# Altium PCB PCB5.PcbDoc (part 3 of 5) (continued)
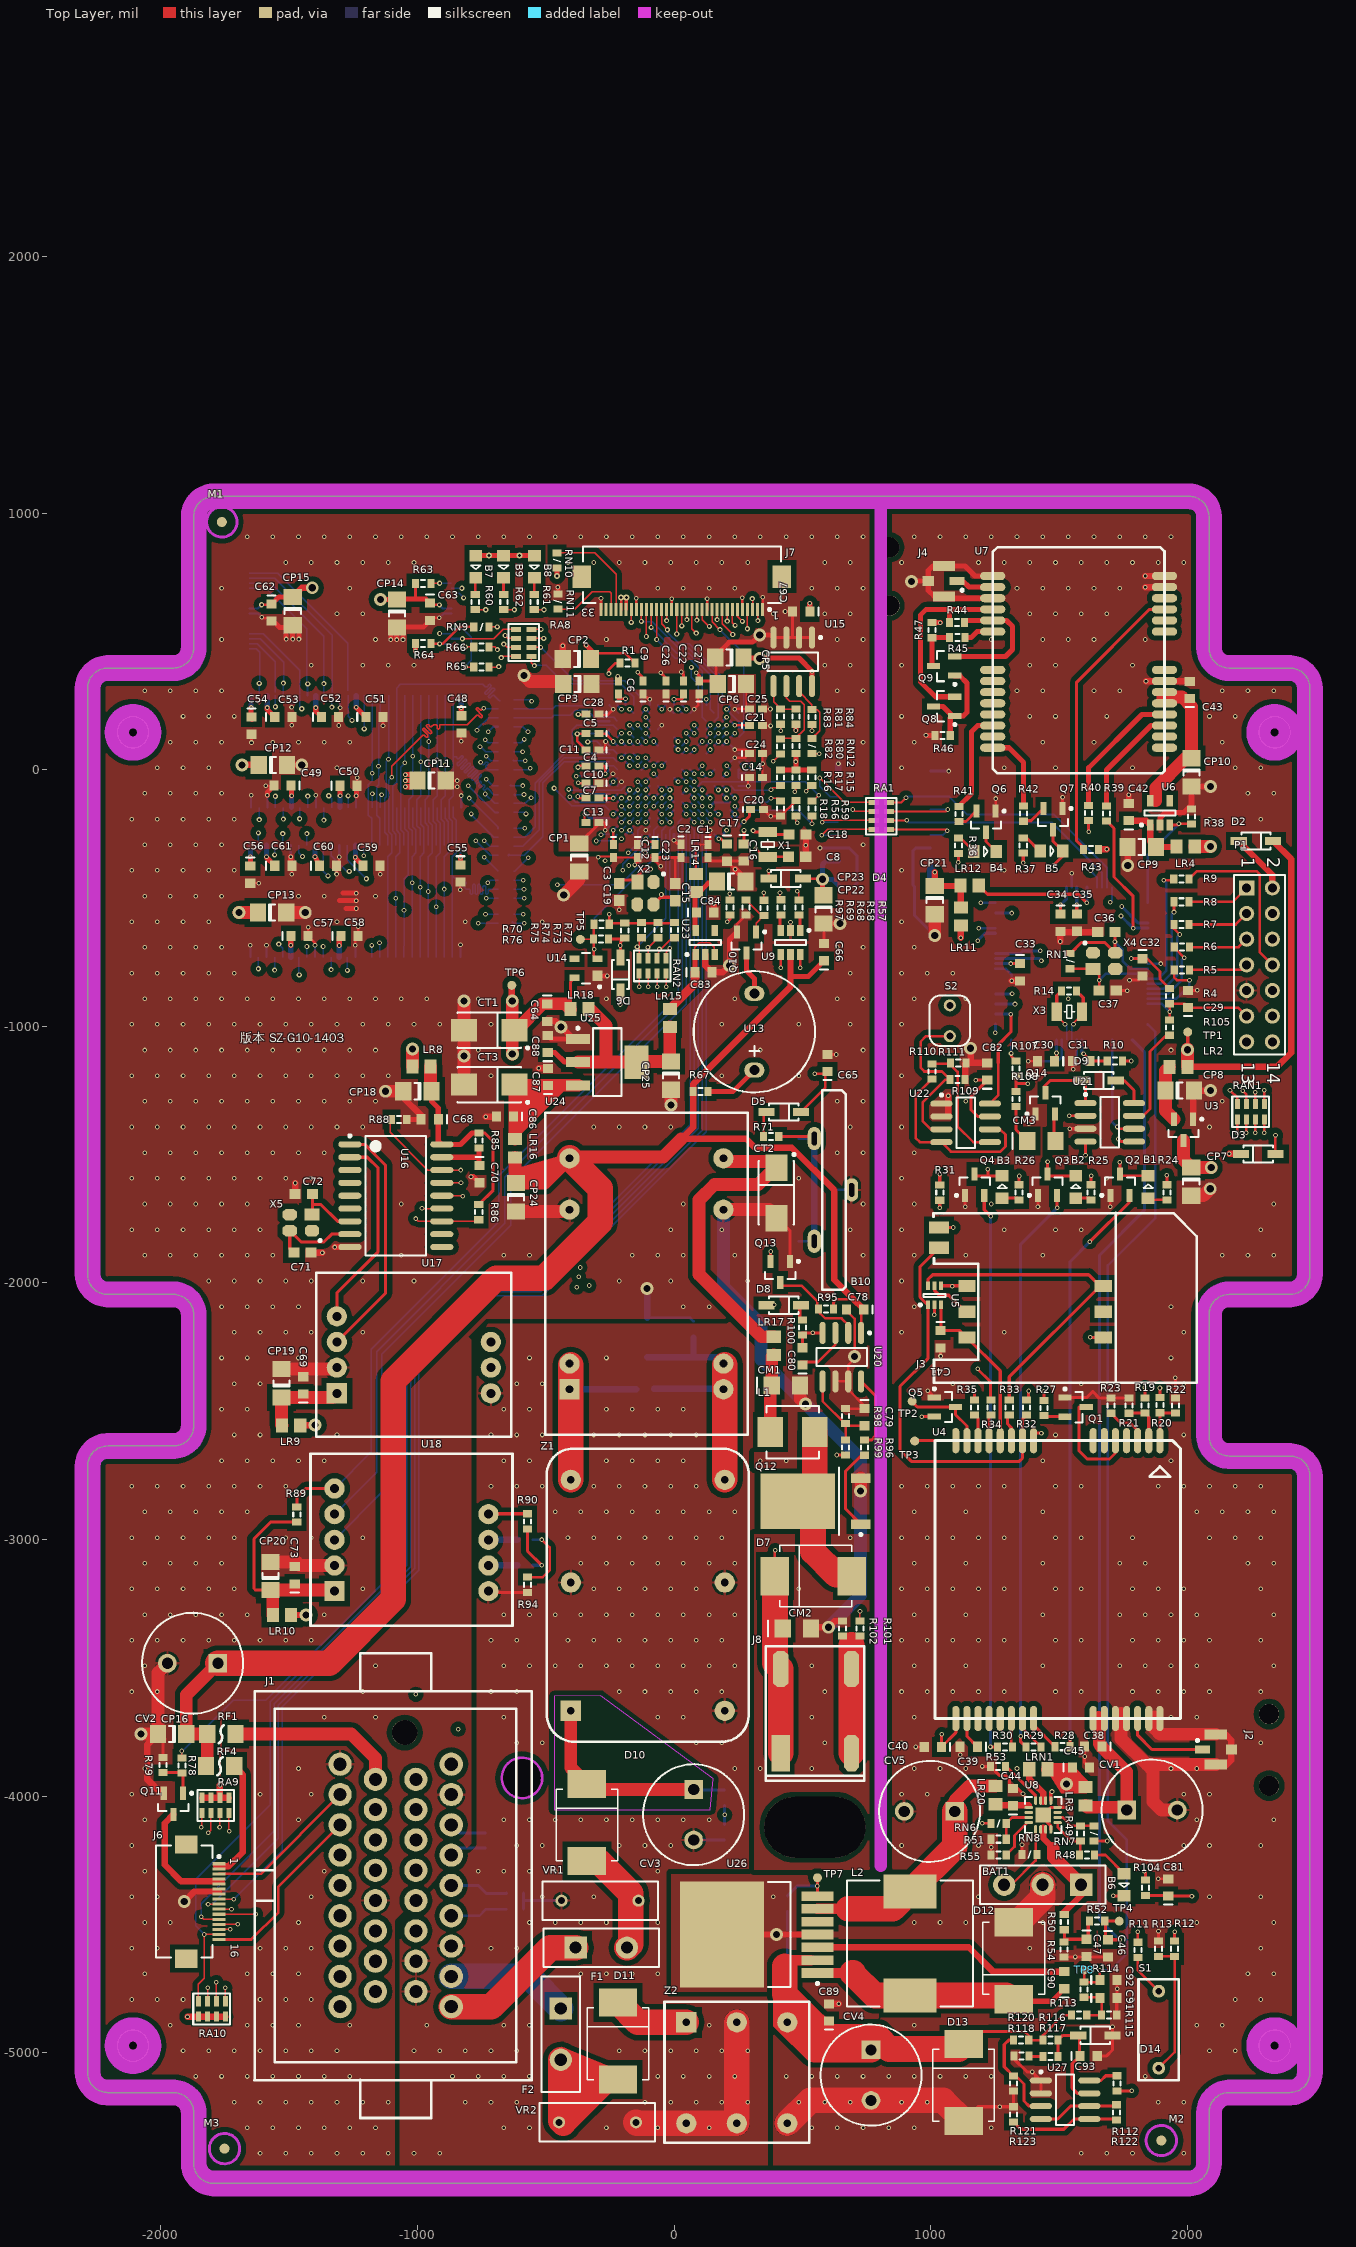
[diagram p0: Top Layer view]
## Nets (pads, with @x,y where several pads share a name; then routed paths per layer and width w, separated by ;. In a path a pad name is that pad's centre, name@x,y a point inside that pad or via, vN(x,y) a via of type N, cw(c..) or ccw(c..) an arc to the next point about the centre after c; other vN are vias at no path point) (continued)
  ADDR w5: v2(78.74,78.74) 94.49,94.49 235.24,94.49 285.43,144.69 v3@285.43,549.63
  Bottom Layer w8: U1.L7@62.99,62.99 v2(78.74,78.74)
GPC4/VM: J7.27 U1.M4 | length 588.1
  Top Layer w5: v3(-166.47,574.53) J7.27@-166.47,624.44
  ADDR w5: v3(-166.47,574.53) -136.4,544.46 -136.4,516.9 9.87,370.63 9.87,328.71 94.49,244.09 94.49,188.98 v2(78.74,173.23)
  Bottom Layer w8: v2(78.74,173.23) U1.M4@94.49,157.48
GPG5/485: R89.2 U1.K15 U18.5 | length 3371
  Top Layer w12: R89.2@-1470,-2872.47 -1470,-2836 -1435,-2801 U18.5@-1323,-2801
  Bottom Layer w5: U18.5@-1323,-2801 -1179,-2657 -1179,-2259 -682,-1762 -682,-1581.92 16.76,-883.16 16.76,-203.72 U1.K15@31.5,-188.98
GPG13: R16.2 U1.T11 | length 210.3
  Top Layer w5: v1@382,-71 383.47,-69.53 R16.2@420,-69.53
  Bottom Layer w5: U1.T11@220.47,-62.99 236.71,-79.23 373.77,-79.23 v1@382,-71
  other v1: 378,-78
GPG14: R17.2 U1.L11 | length 450.7
  Top Layer w5: v1(470,-85) 475,-80 R17.2@475,-60.53
  ADDR w5: v2(78.74,-78.74) 94.74,-94.74 460.26,-94.74 v1(470,-85)
  Bottom Layer w8: U1.L11@62.99,-62.99 v2(78.74,-78.74)
GPG15: R18.1 U1.U13 | length 178.5
  Top Layer w5: v1(378,-110.73) 408.26,-110.73 R18.1@419,-121.47
  Bottom Layer w5: U1.U13@251.97,-125.98 364.02,-125.98 378,-112 v1(378,-110.73)
GPH1: R78.2 U1.L17 | length 4621
  Top Layer w5: R78.2@-1918.05,-3851.47 v1(-1918.05,-3824.05)
  Bottom Layer w5: v1@-1917.05,-3825.05 -1717.73,-3625.73 -1590.41,-3625.73 -1057.41,-3092.73 -1057.41,-2289.73 -754.51,-1986.83 -539.83,-1986.83 62.99,-1384.01 U1.L17@62.99,-251.97
GPRS_DTR: R27.1 U2.45 | length 2160.4
  Top Layer w12: R27.1@1442.11,-2457.47 v1(1442.11,-2422.89)
  ADDR w10: 1005.76,-872.24 1005.76,-800.24 v1(1188,-618)
  ADDR w12: 1005.76,-872.24 1005.76,-1633.76 1442.11,-2070.11 v1(1442.11,-2422.89)
  Bottom Layer w10: v1(1188,-618) 1188.57,-617.43 U2.45@1252.51,-617.43
GPRS_PWR: U2.43
GPRS_PWRKEY: R31.1 U2.44 | length 1095.7
  Top Layer w12: R31.1@1035.76,-1618.7 v1(1035.76,-1576.24)
  ADDR w12: v1(1035.76,-1576.24) 1035.13,-1575.62 1035.13,-813.87 v1(1183,-666)
  Bottom Layer w12: v1(1183,-666) 1211.88,-637.12 U2.44@1252.51,-637.12
GPS_DET: Q9.3 R45.2 R47.1 | length 181.5
  Top Layer w20: Q9.3@1011.66,404 1006,409.66 R47.1@1006,514.47 1006.53,515 R45.2@1074.47,515
GPS_PWR: R38.1 U2.76 U6.3 | length 444.6
  Top Layer w10: U6.3@1931.4,-215.24 1963.62,-215.24 v1(1967.87,-211) 2015.47,-211 R38.1@2016,-211.53
  Bottom Layer w10: U2.76@1847,-519.01 1847,-331.87 v1(1967.87,-211)
I2CSCL: R82.2 U1.U8 | length 202.6
  Top Layer w5: v1(387.51,33) R82.2@415.76,61.24
  DATA w5: v2(272,16) 300,44 376.51,44 v1(387.51,33)
  Bottom Layer w5: U1.U8@256.5,31.5 U1.U8@251.97,31.5 267.47,16 v2(272,16)
I2CSDA: R83.2 U1.M9 | length 409.6
  Top Layer w5: v1(415.76,151.76) R83.2@415.76,177.24
  ADDR w5: v2(110.24,15.75) 125.26,30.77 294.77,30.77 v1(415.76,151.76)
  Bottom Layer w5: U1.M9@94.49,0 v2(110.24,15.75)
LADDR2: RA3.7 U10.23 U11.23 | length 1203.2
  ADDR w5: v2(-955.71,110.24) -935.04,89.57 -923.78,89.57 cw(c-923.78,84.57) -918.78,84.57 -918.78,83.88 ccw(c-913.78,83.88) -913.78,78.88 ccw(c-913.78,83.88) -908.78,83.88 -908.78,104.57 cw(c-903.78,104.57) -903.78,109.57 cw(c-903.78,104.57) -898.78,104.57 -898.78,83.88 ccw(c-893.78,83.88) -893.78,78.88 ccw(c-893.78,83.88) -888.78,83.88 -888.78,104.57 cw(c-883.78,104.57) -883.78,109.57 cw(c-883.78,104.57) -878.78,104.57 -878.78,83.88 ccw(c-873.78,83.88) -873.78,78.88 ccw(c-873.78,83.88) -868.78,83.88 -868.78,104.57 cw(c-863.78,104.57) -863.78,109.57 cw(c-863.78,104.57) -858.78,104.57 -858.78,83.88 ccw(c-853.78,83.88) -853.78,78.88 ccw(c-853.78,83.88) -848.78,83.88 -848.78,97.34 cw(c-843.78,97.34) -843.78,102.34 cw(c-843.78,97.34) -838.78,97.34 -838.78,83.88 ccw(c-833.78,83.88) -833.78,78.88 ccw(c-833.78,83.88) -828.78,83.88 -828.78,84.57 cw(c-823.78,84.57) -823.78,89.57 cw(c-823.78,84.57) -818.78,84.57 -818.78,83.88 ccw(c-813.78,83.88) -813.78,78.88 ccw(c-813.78,83.88) -808.78,83.88 -808.78,103.13 cw(c-803.78,103.13) -803.78,108.13 cw(c-803.78,103.13) -798.78,103.13 -798.78,83.88 ccw(c-793.78,83.88) -793.78,78.88 ccw(c-793.78,83.88) -788.78,83.88 -788.78,103.13 cw(c-783.78,103.13) -783.78,108.13 cw(c-783.78,103.13) -778.78,103.13 -778.78,83.88 ccw(c-773.78,83.88) -773.78,78.88 ccw(c-773.78,83.88) -768.78,83.88 -768.78,84.57 cw(c-763.78,84.57) -763.78,89.57 v2(-755.94,89.57)
  Bottom Layer w5: U11.23@-958.03,-293.5 -958.03,-219.46 -970.22,-207.27 -970.22,-117.39 -955.03,-102.2 -955.03,66.62 ; -955.03,66.93 U10.23@-955.03,289.5 ; v2(-755.94,89.57) -752.96,89.57 -733.97,70.58 RA3.7@-685.13,70.58
LADDR3: RA4.8 U10.24 U11.24 | length 1161.8
  ADDR w5: v2(-924.21,38.39) -923.23,39.37 -887.09,39.37 cw(c-887.09,34.37) -882.09,34.37 -882.09,34.03 ccw(c-877.09,34.03) -877.09,29.03 ccw(c-877.09,34.03) -872.09,34.03 -872.09,34.37 cw(c-867.09,34.37) -867.09,39.37 cw(c-867.09,34.37) -862.09,34.37 -862.09,33.68 ccw(c-857.09,33.68) -857.09,28.68 ccw(c-857.09,33.68) -852.09,33.68 -852.09,34.37 cw(c-847.09,34.37) -847.09,39.37 cw(c-847.09,34.37) -842.09,34.37 -842.09,27.16 ccw(c-837.09,27.16) -837.09,22.16 ccw(c-837.09,27.16) -832.09,27.16 -832.09,34.37 cw(c-827.09,34.37) -827.09,39.37 -807.09,39.37 -798.69,30.98 cw(c-802.23,27.44) -798.69,23.91 -805.77,16.84 ccw(c-802.23,13.3) -805.77,9.76 ccw(c-802.23,13.3) -798.69,9.76 -788.09,20.37 -777.91,30.55 cw(c-774.38,27.01) -770.84,30.55 cw(c-774.38,27.01) -770.84,23.47 -791.62,2.69 ccw(c-788.09,-0.84) -791.62,-4.38 ccw(c-788.09,-0.84) -784.55,-4.38 -766.5,13.68 cw(c-762.96,10.14) -759.43,13.68 cw(c-762.96,10.14) -759.43,6.6 -766.87,-0.84 -777.48,-11.45 ccw(c-773.95,-14.98) -777.48,-18.52 ccw(c-773.95,-14.98) -770.41,-18.52 -749.2,2.69 cw(c-745.66,-0.84) -742.13,2.69 cw(c-745.66,-0.84) -742.13,-4.38 -763.34,-25.59 ccw(c-759.8,-29.13) -763.34,-32.66 ccw(c-759.8,-29.13) -756.27,-32.66 -749.2,-25.59 cw(c-745.66,-29.13) -742.13,-25.59 v2(-731.3,-36.42)
  Bottom Layer w5: U11.24@-926.54,-293.5 -926.54,-211.96 -938.73,-199.77 -938.73,-117.39 -923.54,-102.2 U10.24@-923.54,289.5 ; v2(-731.3,-36.42) -706.24,-61.48 RA4.8@-685.13,-61.48
LADDR4: RA4.6 U10.25 U11.25 | length 952
  ADDR w5: v2(-891.73,19.69) -849.41,19.69 -776.32,-53.41 cw(c-779.85,-56.94) -776.32,-60.48 -781.69,-65.85 ccw(c-778.15,-69.39) -781.69,-72.92 ccw(c-778.15,-69.39) -774.62,-72.92 -756.8,-55.11 cw(c-753.26,-58.64) -749.73,-55.11 cw(c-753.26,-58.64) -749.73,-62.18 -767.55,-80 ccw(c-764.01,-83.53) -767.55,-87.07 ccw(c-764.01,-83.53) -760.48,-87.07 -755.1,-81.69 cw(c-751.57,-85.23) -748.03,-81.69 v2(-735.24,-94.49)
  Bottom Layer w5: U11.25@-895.04,-293.5 -895.04,-205.46 -907.23,-193.26 -907.23,-117.39 -892.04,-102.2 U10.25@-892.04,289.5 ; v2(-735.24,-94.49) -698.25,-131.48 RA4.6@-685.13,-131.48
LADDR5: RA4.7 U10.26 U11.26 | length 1312
  Bottom Layer w5: U11.26@-863.54,-293.5 -863.54,-200.95 -875.74,-188.76 -875.74,-117.39 -860.54,-102.2 -860.54,-74.7 -862,-73.25 -862,-58.75 -860.54,-57.3 -860.54,-50.7 -862,-49.25 -862,-34.75 -860.54,-33.3 -860.54,-27.7 -862,-26.25 -862,-11.75 -860.54,-10.3 -860.54,50.2 ; U10.26@-860.54,289.5 -860.54,50.2 ; RA4.7@-685.13,-96.48 -701.75,-96.48 -723.92,-74.31 ccw(c-727.45,-77.85) -730.99,-74.31 -734.38,-77.7 cw(c-737.91,-74.17) -741.45,-77.7 cw(c-737.91,-74.17) -741.45,-70.63 -738.06,-67.24 ccw(c-741.6,-63.7) -738.06,-60.17 ccw(c-741.6,-63.7) -745.13,-60.17 -752.2,-67.24 cw(c-755.74,-63.7) -759.27,-67.24 cw(c-755.74,-63.7) -759.27,-60.17 -752.2,-53.1 ccw(c-755.74,-49.56) -752.2,-46.03 ccw(c-755.74,-49.56) -759.27,-46.03 -766.34,-53.1 cw(c-769.88,-49.56) -773.41,-53.1 cw(c-769.88,-49.56) -773.41,-46.03 -752.2,-24.81 ccw(c-755.74,-21.28) -752.2,-17.74 ccw(c-755.74,-21.28) -759.27,-17.74 -780.49,-38.96 cw(c-784.02,-35.42) -787.56,-38.96 cw(c-784.02,-35.42) -787.56,-31.88 -766.34,-10.67 ccw(c-769.88,-7.14) -766.34,-3.6 ccw(c-769.88,-7.14) -773.41,-3.6 -794.63,-24.81 cw(c-798.16,-21.28) -801.7,-24.81 cw(c-798.16,-21.28) -801.7,-17.74 -780.49,3.47 ccw(c-784.02,7.01) -780.49,10.54 ccw(c-784.02,7.01) -787.56,10.54 -808.77,-10.67 cw(c-812.31,-7.14) -815.84,-10.67 cw(c-812.31,-7.14) -815.84,-3.6 -794.63,17.61 ccw(c-798.16,21.15) -794.63,24.68 ccw(c-798.16,21.15) -801.7,24.68 -822.91,3.47 cw(c-826.45,7.01) -829.98,3.47 cw(c-826.45,7.01) -829.98,10.54 -808.77,31.76 ccw(c-812.31,35.29) -808.77,38.83 ccw(c-812.31,35.29) -815.84,38.83 -837.05,17.61 cw(c-840.59,21.15) -844.13,17.61 cw(c-840.59,21.15) -844.13,24.68 -833.52,35.29 -822.91,45.9 ccw(c-826.45,49.43) -822.91,52.97 ccw(c-826.45,49.43) -829.98,52.97 -839.15,43.8 cw(c-840.59,45.24) -842.02,43.79 -848.43,50.2 -860.54,50.2
LADDR6: RA6.6 U10.29 U11.29 | length 1067.5
  Bottom Layer w5: U11.29@-863.54,-730.5 -863.54,-412.4 ; U10.29@-860.5,-145 -860.5,-185 -848.35,-197.14 -848.35,-323.61 -863.54,-338.8 -863.54,-412.4 ; RA6.6@-685.13,-465.6 -719.49,-465.6 ccw(c-719.49,-470.6) -724.49,-470.6 -724.49,-479.51 cw(c-729.49,-479.51) -729.49,-484.51 cw(c-729.49,-479.51) -734.49,-479.51 -734.49,-456.45 ccw(c-739.49,-456.45) -739.49,-451.45 ccw(c-739.49,-456.45) -744.49,-456.45 -744.49,-479.87 cw(c-749.49,-479.87) -749.49,-484.87 cw(c-749.49,-479.87) -754.49,-479.87 -754.49,-451.33 ccw(c-759.49,-451.33) -759.49,-446.33 ccw(c-759.49,-451.33) -764.49,-451.33 -764.49,-479.87 cw(c-769.49,-479.87) -769.49,-484.87 cw(c-769.49,-479.87) -774.49,-479.87 -774.49,-451.33 ccw(c-779.49,-451.33) -779.49,-446.33 ccw(c-779.49,-451.33) -784.49,-451.33 -784.49,-479.87 cw(c-789.49,-479.87) -789.49,-484.87 cw(c-789.49,-479.87) -794.49,-479.87 -794.49,-470.6 ccw(c-799.49,-470.6) -799.49,-465.6 -810.35,-465.6 -817.42,-458.53 cw(c-813.88,-454.99) -817.42,-451.46 -810.86,-444.9 ccw(c-814.4,-441.36) -810.86,-437.83 ccw(c-814.4,-441.36) -817.93,-437.83 -828.03,-447.92 -831.56,-451.46 cw(c-835.1,-447.92) -838.63,-451.46 cw(c-835.1,-447.92) -838.63,-444.38 ccw(c-842.17,-440.85) -838.63,-437.31 -863.54,-412.4
LADDR7: RA6.8 U10.30 U11.30 | length 1111.7
  DATA w5: v2(-895.04,-464.92) -854.36,-424.24 cw(c-850.82,-427.77) -847.29,-424.24 -840.52,-431 ccw(c-836.98,-427.47) -833.45,-431 ccw(c-836.98,-427.47) -833.45,-423.93 -843.75,-413.63 -849.79,-407.59 cw(c-846.25,-404.06) -849.79,-400.52 cw(c-846.25,-404.06) -842.72,-400.52 -836.68,-406.56 -826.38,-416.86 ccw(c-822.84,-413.33) -819.31,-416.86 ccw(c-822.84,-413.33) -819.31,-409.79 -835.65,-393.45 cw(c-832.11,-389.92) -835.64,-386.38 cw(c-832.11,-389.92) -828.57,-386.38 -822.54,-392.42 -812.23,-402.72 ccw(c-808.7,-399.18) -805.16,-402.72 ccw(c-808.7,-399.18) -805.16,-395.65 -815.47,-385.35 -821.5,-379.31 cw(c-817.97,-375.77) -821.5,-372.24 cw(c-817.97,-375.77) -814.43,-372.24 -798.09,-388.58 ccw(c-794.56,-385.04) -791.02,-388.58 ccw(c-794.56,-385.04) -791.02,-381.51 -797.79,-374.74 cw(c-794.25,-371.21) -797.79,-367.67 cw(c-794.25,-371.21) -790.72,-367.67 -783.95,-374.44 ccw(c-780.42,-370.9) -776.88,-374.44 ccw(c-780.42,-370.9) -776.88,-367.37 -783.65,-360.6 cw(c-780.11,-357.06) -783.65,-353.53 -776.57,-346.46 -744.02,-346.46 v2(-739.15,-341.58)
  Bottom Layer w5: U11.30@-895.04,-730.5 v2(-895.04,-464.92) -895.04,-338.8 -879.85,-323.61 -879.85,-201.65 -892.04,-189.46 U10.30@-892.04,-147.5 ; v2(-739.15,-341.58) RA6.8@-685.13,-395.6
LADDR8: RA7.8 U10.31 U11.31 | length 949.7
  ADDR w5: v2(-927.17,-534.45) -826.73,-534.45 cw(c-826.73,-539.45) -821.73,-539.45 -821.73,-544 ccw(c-816.73,-544) -816.73,-549 ccw(c-816.73,-544) -811.73,-544 -811.73,-521.49 cw(c-806.73,-521.49) -806.73,-516.49 cw(c-806.73,-521.49) -801.73,-521.49 -801.73,-544.72 ccw(c-796.73,-544.72) -796.73,-549.72 ccw(c-796.73,-544.72) -791.73,-544.72 -791.73,-525.66 cw(c-786.73,-525.66) -786.73,-520.66 cw(c-786.73,-525.66) -781.73,-525.66 -781.73,-529.45 ccw(c-776.73,-529.45) -776.73,-534.45 -762.8,-534.45 v2(-734.59,-562.66)
  Bottom Layer w5: U11.31@-926.54,-730.5 -926.54,-338.8 -911.34,-323.61 -911.34,-208.15 -923.54,-195.96 U10.31@-923.54,-147.5 ; v2(-734.59,-562.66) RA7.8@-685.13,-562.66
LADDR9: RA5.6 U10.32 U11.32 | length 1207.2
  DATA w5: v2(-957.68,-474.41) -937.01,-474.41 -817.27,-354.67 cw(c-813.73,-358.2) -810.19,-354.67 -807.55,-357.31 ccw(c-804.02,-353.78) -800.48,-357.31 ccw(c-804.02,-353.78) -800.48,-350.24 -806.66,-344.06 -817.1,-333.62 cw(c-813.57,-330.08) -817.1,-326.55 cw(c-813.57,-330.08) -810.03,-326.55 -793.41,-343.17 ccw(c-789.87,-339.63) -786.34,-343.17 ccw(c-789.87,-339.63) -786.34,-336.1 -792.52,-329.92 -802.96,-319.48 cw(c-799.43,-315.94) -802.96,-312.4 cw(c-799.43,-315.94) -795.89,-312.4 -775,-333.29 ccw(c-771.47,-329.76) -767.93,-333.29 ccw(c-771.47,-329.76) -767.93,-326.22 -788.82,-305.33 cw(c-785.28,-301.8) -788.82,-298.26 cw(c-785.28,-301.8) -781.75,-298.26 -760.86,-319.15 ccw(c-757.32,-315.61) -753.79,-319.15 ccw(c-757.32,-315.61) -753.79,-312.08 -760.7,-305.17 cw(c-757.16,-301.63) -760.7,-298.1 cw(c-757.16,-301.63) -753.63,-298.1 -746.72,-305.01 ccw(c-743.18,-301.47) -739.65,-305.01 ccw(c-743.18,-301.47) -739.65,-297.94 -746.56,-291.03 cw(c-743.02,-287.49) -746.56,-283.96 v2(-739.17,-276.57)
  Bottom Layer w5: U11.32@-958.03,-730.5 -958.03,-338.8 -942.84,-323.61 -942.84,-215.66 -955.03,-203.46 U10.32@-955.03,-147.5 ; v2(-739.17,-276.57) -717.21,-298.54 RA5.6@-685.13,-298.54
LADDR10: RA5.5 U10.33 U11.33 | length 1218.5
  DATA w5: v2(-989.17,-457.68) -871.71,-340.21 ccw(c-875.25,-336.68) -871.71,-333.14 -878.47,-326.38 cw(c-874.94,-322.85) -878.47,-319.31 cw(c-874.94,-322.85) -871.4,-319.31 -854.85,-335.87 ccw(c-851.31,-332.33) -847.77,-335.87 ccw(c-851.31,-332.33) -847.77,-328.8 -854.03,-322.54 -864.33,-312.24 cw(c-860.8,-308.7) -864.33,-305.17 cw(c-860.8,-308.7) -857.26,-305.17 -846.96,-315.47 -839.01,-323.42 ccw(c-835.48,-319.88) -831.94,-323.42 ccw(c-835.48,-319.88) -831.94,-316.34 -850.19,-298.1 cw(c-846.65,-294.56) -850.19,-291.03 cw(c-846.65,-294.56) -843.12,-291.03 -822.52,-311.62 ccw(c-818.99,-308.09) -815.45,-311.62 ccw(c-818.99,-308.09) -815.45,-304.55 -836.05,-283.95 cw(c-832.51,-280.42) -836.05,-276.88 cw(c-832.51,-280.42) -828.98,-276.88 -822.21,-283.65 ccw(c-818.68,-280.11) -815.14,-283.65 -808.07,-276.57 v2(-772.64,-276.57)
  Bottom Layer w5: U11.33@-989.53,-730.5 -989.53,-338.8 -974.34,-323.61 -974.34,-224.16 -986.53,-211.97 U10.33@-986.53,-147.5 ; v2(-772.64,-276.57) -715.67,-333.54 RA5.5@-685.13,-333.54
LADDR11: RA6.7 U10.34 U11.34 | length 1112.4
  ADDR w5: v2(-1020.67,-440.94) -1019.69,-439.96 -821.97,-439.96 ccw(c-821.97,-434.96) -816.97,-434.96 -816.97,-429.31 cw(c-811.97,-429.31) -811.97,-424.31 cw(c-811.97,-429.31) -806.97,-429.31 -806.97,-454.02 ccw(c-801.97,-454.02) -801.97,-459.02 ccw(c-801.97,-454.02) -796.97,-454.02 -796.97,-429.31 cw(c-791.97,-429.31) -791.97,-424.31 cw(c-791.97,-429.31) -786.97,-429.31 -786.97,-454.02 ccw(c-781.97,-454.02) -781.97,-459.02 ccw(c-781.97,-454.02) -776.97,-454.02 -776.97,-429.31 cw(c-771.97,-429.31) -771.97,-424.31 cw(c-771.97,-429.31) -766.97,-429.31 -766.97,-454.02 ccw(c-761.97,-454.02) -761.97,-459.02 ccw(c-761.97,-454.02) -756.97,-454.02 -756.97,-444.96 cw(c-751.97,-444.96) -751.97,-439.96 v2(-726.38,-439.96)
  Bottom Layer w5: U11.34@-1021.02,-730.5 -1021.02,-338.8 -1005.83,-323.61 -1005.83,-234.66 -1018.02,-222.47 U10.34@-1018.02,-147.5 ; v2(-726.38,-439.96) -717.01,-430.6 RA6.7@-685.13,-430.6
LADDR12: RA4.5 U10.22 U11.22 | length 1355.8
  ADDR w5: v2(-987.2,30.51) -981.22,24.53 cw(c-984.76,20.99) -981.22,17.46 -988.29,10.39 ccw(c-984.76,6.85) -988.29,3.32 ccw(c-984.76,6.85) -981.22,3.32 -960.01,24.53 cw(c-956.47,20.99) -952.94,24.53 cw(c-956.47,20.99) -952.94,17.46 -974.15,-3.76 ccw(c-970.61,-7.29) -974.15,-10.83 ccw(c-970.61,-7.29) -967.08,-10.83 -960.01,-3.76 cw(c-956.47,-7.29) -952.94,-3.76 -945.87,-10.83 -933.35,-10.83 ccw(c-933.35,-5.83) -928.35,-5.83 -928.35,4.17 cw(c-923.35,4.17) -923.35,9.17 cw(c-923.35,4.17) -918.35,4.17 -918.35,-25.83 ccw(c-913.35,-25.83) -913.35,-30.83 ccw(c-913.35,-25.83) -908.35,-25.83 -908.35,2.79 cw(c-903.35,2.79) -903.35,7.79 cw(c-903.35,2.79) -898.35,2.79 -898.35,-25.83 ccw(c-893.35,-25.83) -893.35,-30.83 ccw(c-893.35,-25.83) -888.35,-25.83 -888.35,0.98 cw(c-883.35,0.98) -883.35,5.98 cw(c-883.35,0.98) -878.35,0.98 -878.35,-25.83 ccw(c-873.35,-25.83) -873.35,-30.83 ccw(c-873.35,-25.83) -868.35,-25.83 -868.35,-15.83 cw(c-863.35,-15.83) -863.35,-10.83 -853.35,-10.83 -847.36,-16.81 ccw(c-843.83,-13.27) -840.29,-16.81 -836.5,-13.02 cw(c-832.97,-16.56) -829.43,-13.02 cw(c-832.97,-16.56) -829.43,-20.09 -833.22,-23.88 ccw(c-829.69,-27.42) -833.22,-30.95 ccw(c-829.69,-27.42) -826.15,-30.95 -822.36,-27.16 cw(c-818.82,-30.7) -815.29,-27.16 cw(c-818.82,-30.7) -815.29,-34.23 -831.16,-50.1 ccw(c-827.62,-53.64) -831.16,-57.17 ccw(c-827.62,-53.64) -824.09,-57.17 -819.08,-52.17 cw(c-815.54,-55.7) -812.01,-52.17 v2(-801.18,-62.99)
  Bottom Layer w5: U11.22@-989.53,-293.5 -989.53,-229.97 -1001.72,-217.78 -1001.72,-117.39 -986.53,-102.2 U10.22@-986.53,289.5 ; v2(-801.18,-62.99) RA4.5@-697.7,-166.48
  Bottom Layer w8: RA4.5@-697.7,-166.48 RA4.5@-685.13,-166.48
LADDR13: RA7.7 U10.35 U11.35 | length 982.9
  ADDR w5: v2(-1052.17,-547.24) -1039.37,-560.04 -801.18,-560.04 v2(-763.56,-597.66)
  Bottom Layer w5: U11.35@-1052.52,-730.5 -1052.52,-687.98 -1052.17,-687.62 v2(-1052.17,-547.24) -1052.17,-425.2 -1036.5,-409.53 -1036.5,-243 -1049.52,-229.98 U10.35@-1049.52,-147.5 ; v2(-763.56,-597.66) RA7.7@-685.13,-597.66
LADDR14: RA6.5 U10.36 U11.36 | length 1034.2
  ADDR w5: v2(-1083.87,-500.98) -1084.26,-500.6 -794.76,-500.6 ccw(c-794.76,-495.6) -789.76,-495.6 -789.76,-492.33 cw(c-784.76,-492.33) -784.76,-487.33 cw(c-784.76,-492.33) -779.76,-492.33 -779.76,-508.86 ccw(c-774.76,-508.86) -774.76,-513.86 ccw(c-774.76,-508.86) -769.76,-508.86 -769.76,-505.6 cw(c-764.76,-505.6) -764.76,-500.6 v2(-731.9,-500.6)
  Bottom Layer w5: U11.36@-1084.02,-730.5 -1084.02,-338.8 -1068.82,-323.61 -1068.82,-248.67 -1081.02,-236.48 U10.36@-1081.02,-147.5 ; v2(-731.9,-500.6) RA6.5@-685.13,-500.6
LADDR24: RA5.8 U10.20 U11.20 | length 1364.2
  Top Layer w5: v2(-798.27,-110.24) v2@-796.3,-112.2
  DATA w5: v2(-1049.21,26.57) -938.9,-83.74 ccw(c-935.36,-80.2) -931.83,-83.74 -925.58,-77.49 cw(c-922.04,-81.02) -918.5,-77.49 cw(c-922.04,-81.02) -918.5,-84.56 -938.08,-104.13 ccw(c-934.54,-107.67) -938.08,-111.2 ccw(c-934.54,-107.67) -931.01,-111.2 -911.43,-91.63 cw(c-907.9,-95.16) -904.36,-91.63 cw(c-907.9,-95.16) -904.36,-98.7 -910.61,-104.95 ccw(c-907.08,-108.49) -910.61,-112.02 -903.54,-119.09 -892.01,-119.09 cw(c-892.01,-124.09) -887.01,-124.09 -887.01,-132.94 ccw(c-882.01,-132.94) -882.01,-137.94 ccw(c-882.01,-132.94) -877.01,-132.94 -877.01,-105.25 cw(c-872.01,-105.25) -872.01,-100.25 cw(c-872.01,-105.25) -867.01,-105.25 -867.01,-132.94 ccw(c-862.01,-132.94) -862.01,-137.94 ccw(c-862.01,-132.94) -857.01,-132.94 -857.01,-105.25 cw(c-852.01,-105.25) -852.01,-100.25 cw(c-852.01,-105.25) -847.01,-105.25 -847.01,-132.94 ccw(c-842.01,-132.94) -842.01,-137.94 ccw(c-842.01,-132.94) -837.01,-132.94 -837.01,-124.09 cw(c-832.01,-124.09) -832.01,-119.09 cw(c-832.01,-124.09) -827.01,-124.09 -827.01,-132.94 ccw(c-822.01,-132.94) -822.01,-137.94 ccw(c-822.01,-132.94) -817.01,-132.94 -817.01,-124.09 cw(c-812.01,-124.09) -812.01,-119.09 -807.12,-119.09 v2(-798.27,-110.24)
  Bottom Layer w5: U11.20@-1052.52,-293.5 -1052.52,-245.98 -1065.5,-233 -1065.5,9.31 v2@-1049.52,25.28 ; v2@-1049.52,26.57 U10.20@-1049.52,289.5 ; v2(-798.27,-110.24) RA5.8@-685.13,-223.37
  Bottom Layer w8: RA5.8@-685.13,-228.54 RA5.8@-685.13,-223.37
LADDR25: RA3.5 U10.21 U11.21 | length 987.7
  ADDR w5: v2(-1018.7,52.17) -1018.7,57.09 -782.48,57.09 v2(-753.94,28.54)
  Bottom Layer w5: U11.21@-1021.02,-293.5 -1021.02,-238.47 -1033.22,-226.28 -1033.22,-117.39 -1018.02,-102.2 U10.21@-1018.02,289.5 ; v2(-753.94,28.54) -746.87,21.47 ccw(c-743.33,25.01) -739.79,21.47 -732.72,28.54 cw(c-729.19,25.01) -725.65,28.54 cw(c-729.19,25.01) -725.65,21.47 -732.72,14.4 ccw(c-729.19,10.87) -732.72,7.33 -725.98,0.58 RA3.5@-685.13,0.58
LCD_PWREN: R97.1 U1.P11 | length 469.6
  Top Layer w5: R97.1@218,-507.47 v1(218,-483)
  DATA w5: v2(173.23,-78.74) 189.23,-94.74 189.23,-262.83 ; 189.26,-262.86 189.26,-454.26 v1(218,-483)
  Bottom Layer w8: U1.P11@157.48,-62.99 v2(173.23,-78.74)
LDATA0: U1.D12 U10.2 U12.29 | length 1883.9
  ADDR w5: v3(-1616.45,336.83) -1616.45,335.5 -1563.95,283 -610.21,283 -558.08,230.87 -521.19,230.87 -306.04,15.72 -236.19,15.72 v2(-141.73,-78.74)
  Bottom Layer w5: U12.29@-1655.02,471.09 -1628.1,471.09 -1614.15,457.13 v3@-1614.15,337.16 ; U10.2@-1616.45,289.5 v3(-1616.45,336.83)
  Bottom Layer w8: U1.D12@-157.48,-94.49 v2(-141.73,-78.74)
LDATA1: U1.C12 U10.4 U12.30 | length 1848.5
  ADDR w5: v3(-1553.46,245.3) -1553.46,247.97 -1534.42,267 -616.41,267 -479.41,130 -441.5,130 -232.76,-78.74 v2(-173.23,-78.74)
  Bottom Layer w5: U12.30@-1655.02,490.77 -1624.05,490.77 -1554.11,420.83 U10.4@-1554.11,302.72 ; v3(-1553.46,245.3) U10.4@-1553.46,289.5
  Bottom Layer w8: U1.C12@-188.98,-94.49 v2(-173.23,-78.74)
LDATA2: U1.E11 U10.5 U12.31 | length 1863.9
  ADDR w5: v3(-1521.96,337.5) -1488.46,304 -570.16,304 -313.39,47.23 -236.21,47.23 v2(-141.73,-47.24)
  Bottom Layer w5: U12.31@-1655.02,510.46 -1612.24,510.46 -1520.64,418.86 v3@-1520.64,337.16 ; U10.5@-1521.96,289.5 v3(-1521.96,337.5)
  Bottom Layer w8: v2(-141.73,-47.24) U1.E11@-125.98,-62.99
LDATA3: U1.A13 U10.7 U12.32 | length 1763.6
  ADDR w5: v3(-1450.76,237.75) -1423.01,210 -701.55,210 -527.53,35.98 -527.53,15.72 v2(-406.49,-105.32)
  Bottom Layer w5: U12.32@-1655.02,530.14 -1601.41,530.14 -1458.64,387.36 U10.7@-1458.64,294.84 ; U10.7@-1458.97,289.5 -1458.97,245.96 v3(-1450.76,237.75) ; v2@-405.53,-105.32 -404.52,-105.32 -383.86,-125.98 U1.A13@-251.97,-125.98
LDATA4: U1.F10 U10.8 U12.41 | length 2153.5
  ADDR w5: v3(-1427.47,334.86) -1409.42,352.91 -1343.48,352.91 -1323.79,333.23 -514.75,333.23 -269.68,88.15 -118.66,88.15 -94.49,63.98 -94.49,-31.5 v2(-110.24,-47.24)
  Bottom Layer w5: U12.41@-1655.02,707.31 -1588.62,707.31 -1431.08,549.76 -1431.08,342.09 v3@-1423.2,334.21
  Bottom Layer w8: U10.8@-1427.47,289.5 v3(-1427.47,334.86) ; v2(-110.24,-47.24) U1.F10@-94.49,-31.5
LDATA5: U1.F11 U10.10 U12.42 | length 2103.1
  ADDR w5: v3(-1364.48,335.85) -1349.06,320.43 -522.96,320.43 -276.9,74.37 -178.12,74.37 -157.23,53.48 -157.23,0.25 -125.74,-31.25 -125.74,-62.74 -110.24,-78.24 v2(-110.24,-78.74)
  Bottom Layer w5: U12.42@-1655.02,726.99 -1571.89,726.99 -1365.13,520.24 v3@-1365.13,337.16 ; U10.10@-1364.48,289.5 v3(-1364.48,335.85)
  Bottom Layer w8: v2(-110.24,-78.74) U1.F11@-94.49,-62.99
LDATA6: U1.C13 U10.11 U12.43 | length 2011.3
  ADDR w5: v3(-1332.98,243.9) -1313.09,224 -612.53,224 -381.24,-7.28 -366.94,-7.28 -279.74,-94.49 -188.98,-94.49 v2(-173.23,-110.24)
  Bottom Layer w5: U12.43@-1655.02,746.68 -1555.15,746.68 -1332.65,524.17 U10.11@-1332.65,301.73 ; v3(-1332.98,243.9) U10.11@-1332.98,289.5
  Bottom Layer w8: U1.C13@-188.98,-125.98 v2(-173.23,-110.24)
LDATA7: U1.A14 U10.13 U12.44 | length 1973.3
  Top Layer w5: v3@-470.24,-69.33 v3(-467.47,-72.1)
  ADDR w5: v3@-1254.9,194.45 -727.34,194.45 -672.22,139.33 -672.22,81.26 -518.86,-72.1 v3(-467.47,-72.1)
  Bottom Layer w5: U12.44@-1655.02,766.36 -1543.34,766.36 -1270.64,493.66 U10.13@-1270.64,307.64 ; U10.13@-1269.99,289.5 -1269.99,207.58 v3(-1254.9,192.48) ; v3(-467.47,-72.1) -399.35,-140.22 -269.22,-140.22 U1.A14@-251.97,-157.48
LDATA8: U1.D13 U10.42 | length 1181.1
  ADDR w5: v3(-1269.99,-101.9) -1245.66,-126.23 -188.73,-126.23 v2(-173.23,-141.73)
  Bottom Layer w5: U10.42@-1269.99,-147.5 v3(-1269.99,-101.9)
  Bottom Layer w8: v2(-173.23,-141.73) U1.D13@-157.48,-125.98
LDATA9: U1.B15 U10.44 | length 1244.2
  ADDR w5: v3(-1345.45,-101.24) -1290.19,-156.5 -221.46,-156.5 v2(-204.72,-173.23)
  Bottom Layer w5: v3(-1345.45,-101.24) -1332.98,-113.71 U10.44@-1332.98,-147.5
  Bottom Layer w8: U1.B15@-220.47,-188.98 v2(-204.72,-173.23)
LDATA10: U1.A17 U10.45 | length 1181.8
  ADDR w5: v3@-1362.18,-198.27 -1325.76,-234.69 -669.84,-234.69 -651.56,-252.97 -591.12,-252.97 -591.05,-253.04 -570.75,-253.04 -570.68,-252.97 v2(-284.46,-252.97)
  Bottom Layer w5: v3(-1364.48,-195.97) U10.45@-1364.48,-147.5 ; v2(-284.46,-252.97) -283.46,-251.97 U1.A17@-251.97,-251.97
LDATA11: U1.C14 U10.47 | length 1336.2
  ADDR w5: v3(-1427.47,-102.56) -1403.1,-78.19 -1333.64,-78.19 -1320.84,-90.99 -1320.84,-107.72 -1286.83,-141.73 v2(-204.72,-141.73)
  Bottom Layer w5: U10.47@-1427.47,-147.5 v3(-1427.47,-102.56)
  Bottom Layer w8: v2(-204.72,-141.73) U1.C14@-188.98,-157.48
LDATA12: U1.D15 U10.48 | length 1426.9
  ADDR w5: v3(-1458.97,-191.05) -1458.97,-175.96 -1439.94,-156.93 -1367.65,-156.93 -1304.66,-219.92 -635.39,-219.92 -611.35,-243.97 -587.39,-243.97 -587.32,-244.04 -574.48,-244.04 -574.41,-243.97 -536.29,-243.97 -512.55,-220.22 -188.73,-220.22 v2(-173.23,-204.72)
  Bottom Layer w5: v3(-1458.97,-191.05) U10.48@-1458.97,-147.5
  Bottom Layer w8: v2(-173.23,-204.72) U1.D15@-157.48,-188.98
LDATA13: U1.C15 U10.50 | length 1447.1
  ADDR w5: v3(-1521.96,-192.03) -1521.96,-168.09 -1493.08,-139.21 -1364.15,-139.21 -1298.64,-204.72 v2(-204.72,-204.72)
  Bottom Layer w5: v3(-1521.96,-192.03) U10.50@-1521.96,-147.5
  Bottom Layer w8: v2(-204.72,-204.72) U1.C15@-188.98,-188.98
LDATA14: U1.D14 U10.51 | length 1488.8
  ADDR w5: v3(-1553.46,-103.13) -1530.17,-126.42 -1350.37,-126.42 -1288.06,-188.73 -188.73,-188.73 v2(-173.23,-173.23)
  Bottom Layer w5: U10.51@-1553.46,-147.5 v3(-1553.46,-103.13)
  Bottom Layer w8: v2(-173.23,-173.23) U1.D14@-157.48,-157.48
LDATA15: U1.B17 U10.53 | length 1487.7
  ADDR w5: v3(-1616.45,-194) -1595.45,-215 -1391.71,-215 -1357.55,-249.16 -692.77,-249.16 -664.37,-277.56 v2(-303.15,-277.56)
  Bottom Layer w5: v3(-1616.45,-194) U10.53@-1616.45,-147.5 ; v2(-303.15,-277.56) -246.06,-277.56 U1.B17@-220.47,-251.97
LDATA16: U1.C16 U11.2 | length 1544.5
  ADDR w6: v3(-1619.45,-245.89) -1604.31,-230.75 -1405.49,-230.75 -1365.13,-271.1 -815.32,-271.1 -788.19,-298.23 -266.73,-298.23 v2(-204.72,-236.22)
  Bottom Layer w6: U11.2@-1619.45,-293.5 v3(-1619.45,-245.89) ; v2(-204.72,-236.22) U1.C16@-188.98,-220.47
LDATA17: U1.E15 U11.4 | length 1591.4
  ADDR w5: v3(-1556.46,-331.75) -1529.5,-358.7 -895.21,-358.7 -878.91,-375 -264.76,-375 -141.73,-251.97 v2(-141.73,-204.72)
  Bottom Layer w5: v3(-1556.46,-331.75) U11.4@-1556.46,-293.5
  Bottom Layer w8: v2(-141.73,-204.72) U1.E15@-125.98,-188.98
LDATA18: U1.E14 U11.5 | length 1578
  ADDR w5: v3(-1524.96,-248.84) -1469.24,-304.57 -836.59,-304.57 -816.11,-325.05 -236.47,-325.05 -157.23,-245.81 -157.23,-188.73 v2(-141.73,-173.23)
  Bottom Layer w5: U11.5@-1524.96,-293.5 v3(-1524.96,-248.84)
  Bottom Layer w8: v2(-141.73,-173.23) U1.E14@-125.98,-157.48
LDATA19: U1.E13 U11.7 | length 1544.2
  ADDR w5: v3(-1447.81,-338.03) -1429.92,-320.15 -904.99,-320.15 -864.15,-360.99 -275.36,-360.99 v2(-268.7,-354.33)
  DATA w5: v2(-268.7,-354.33) -198.57,-284.2 -198.3,-284.2 -189.22,-275.12 -189.22,-274.85 -157.73,-243.36 -157.73,-157.73 v2(-141.73,-141.73)
  Bottom Layer w5: U11.7@-1461.97,-293.5 -1461.97,-323.87 v3(-1447.81,-338.03)
  Bottom Layer w8: v2(-141.73,-141.73) U1.E13@-125.98,-125.98
LDATA20: U1.E12 U11.8 | length 1534.2
  ADDR w5: v3(-1430.47,-248.84) -1390.5,-288.82 -820.84,-288.82 -797.65,-312.01 -248.03,-312.01 v2(-204.72,-268.7)
  DATA w5: v2(-204.72,-268.7) -188.98,-252.95 -188.98,-135.56 -179.65,-126.23 -157.73,-126.23 v2(-141.73,-110.24)
  Bottom Layer w5: U11.8@-1430.47,-293.5 v3(-1430.47,-248.84)
  Bottom Layer w8: v2(-141.73,-110.24) U1.E12@-125.98,-94.49